# Altium PCB Batt_monitor.PcbDoc (part 2 of 2)
Units mm, origin at the board's own origin, x right, y up, seen from the top; angles counter-clockwise.
Board outline 100 x 48.5 mm, 2 copper layers (Top Layer, Bottom Layer), stack 1.58 mm thick; 113 components, 84 nets, 409 pads, 963 vias.
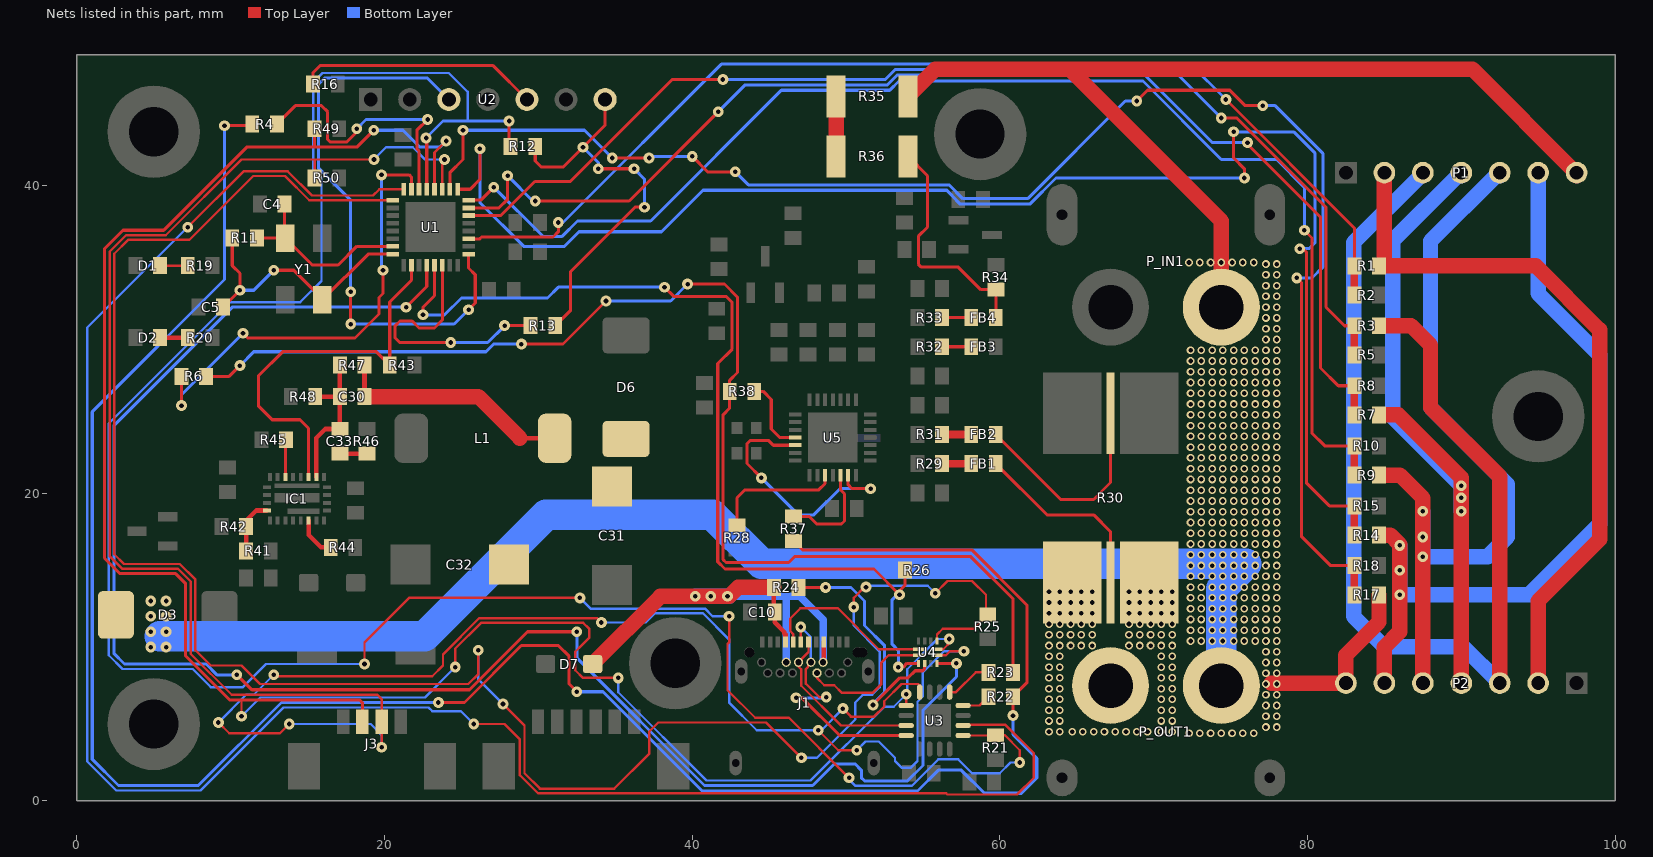
[diagram p2: the nets of this part, all layers, seen from the top]

## Via types
v1: diameter 0.5, hole 0.3, Top Layer to Bottom Layer, tented both sides, 559 vias
v2: diameter 0.7, hole 0.3, Top Layer to Bottom Layer, tented both sides, 397 vias
v3: diameter 0.31, hole 0.3, Top Layer to Bottom Layer, tented both sides, 4 vias
v4: diameter 0.4, hole 0.3, Top Layer to Bottom Layer, tented both sides, 3 vias

## Nets (pads, with @x,y where several pads share a name; then routed paths per layer and width w, separated by ;. In a path a pad name is that pad's centre, name@x,y a point inside that pad or via, vN(x,y) a via of type N, cw(c..) or ccw(c..) an arc to the next point about the centre after c; other vN are vias at no path point) (continued)
NetC30_1: C30.1 C33.1 IC1.14 R47.2 R48.1 | length 10.1
  Top Layer w0.3: R48.1@15.5,26.28 C30.1@17.1,26.28 ; IC1.14@15.57,21.052 15.57,23.594 16.156,24.18 C33.1@17.1,24.18 C30.1@17.1,26.28 ; R47.2@17.1,28.33 C30.1@17.1,26.28
NetC30_2: C30.2 C31.2 C32.2 D6.A L1.2 R47.1 | length 15.5
  Top Layer w0.3: C30.2@18.7,26.28 R47.1@18.7,28.33 ; 28.8,23.58 L1.2@31.06,23.58
  Top Layer w1: C30.2@18.7,26.28 26.1,26.28 28.8,23.58
NetC33_2: C33.2 R46.2 | length 1.8
  Top Layer w0.3: C33.2@17.1,22.58 R46.2@18.85,22.58
NetD1_1: D1.1 R19.1 | length 1.6
  Top Layer w0.152: D1.1@5.6,34.7 5.7,34.8 R19.1@7.205,34.8
NetD2_1: D2.1 R20.1 | length 1.8
  Top Layer w0.3: D2.1@5.4,30.12 7.18,30.12 R20.1@7.2,30.1
NetFB1_1: FB1.1 R30.4 | length 12.6
  Top Layer w0.2: FB1.1@59.739,21.924 63.063,18.6 66.1,18.6 67.2,17.5 R30.4@67.2,14.2
NetFB1_2: FB1.2 R29.1 | length 1.9
  Top Layer w0.5: R29.1@56.239,21.924 FB1.2@58.139,21.924
NetFB2_1: FB2.1 R30.3 | length 14.2
  Top Layer w0.2: FB2.1@59.739,23.824 63.963,19.6 66.1,19.6 67.2,20.7 R30.3@67.2,25.2
NetFB2_2: FB2.2 R31.1 | length 1.9
  Top Layer w0.5: R31.1@56.239,23.824 FB2.2@58.139,23.824
NetFB3_2: FB3.2 R32.1 | length 1.9
  Top Layer w0.2: R32.1@56.239,29.524 FB3.2@58.138,29.524
NetFB4_1: FB4.1 R34.1 R36.1 | length 15.2
  Top Layer w0.2: R36.1@54.04,41.9 55.3,40.64 55.3,37.3 54.7,36.7 54.7,34.9 54.9,34.7 57.3,34.7 58.763,33.237 R34.1@59.738,33.237 FB4.1@59.738,31.562
NetFB4_2: FB4.2 R33.1 | length 1.9
  Top Layer w0.2: R33.1@56.239,31.424 FB4.2@58.139,31.424
NetIC1_6: IC1.6 R44.2 | length 2.7
  Top Layer w0.3: IC1.6@15.062,18.23 15.062,17.288 15.87,16.48 R44.2@16.5,16.48
NetIC1_15: IC1.15 R43.2 U1.10 | length 25.6
  Top Layer w0.2: IC1.15@15.062,21.052 15.062,24.218 14.5,24.78 12.7,24.78 11.8,25.68 11.8,27.621 13.409,29.23 19.439,29.23 R43.2@20.34,28.329 20.34,32.44 21.755,33.855 U1.10@21.755,34.836
NetIC1_18: IC1.18 R45.2 | length 2.4
  Top Layer w0.2: IC1.18@13.55,21.052 13.55,23.43 R45.2@13.6,23.48
NetIC1_24: IC1.24 R41.1 R42.2 | length 3.6
  Top Layer w0.3: R41.1@11,16.255 11,18.23 11.651,18.88 IC1.24@12.35,18.88
NetJ1_A5: J1.A5 U4.1 | length 11.3
  Top Layer w0.152: J1.A5@46.564,10.325 46.564,10.855 46.374,11.045 46.374,11.864 47.035,12.525 49.475,12.525 52.135,9.865 U4.1@54.714,9.865
NetJ1_B5: J1.B5 U4.2 | length 9.2
  Top Layer w0.152: J1.B5@48.114,8.315 48.114,7.995 48.583,7.525 49.239,7.525 49.739,7.025 51.725,7.025 52.3,7.6 52.3,9 52.765,9.465 U4.2@54.714,9.465
NetJ3_2: J3.2 R49.2 U1.28 U3.9 U4.8 | length 140.2
  Top Layer w0.152: v2(10.7,5.5) 10.7,6.574 10.7,6.598 ; v2(24.6,8.7) 24.6,9.9 26.276,11.576 32.924,11.576 33.3,11.2 33.3,10.6 32.8,10.1 32.4,9.7 32.4,8.5 32.9,8 v2(35.2,8) ; U3.9@53.914,6.2 v2(53.914,6.936) ; U4.8@55.914,9.865 56.326,9.865 56.792,10.331 56.792,10.525 v2(56.714,10.525)
  Top Layer w0.2: 15.456,42.544 R49.2@15.456,43.7 ; J3.2@18.56,5.159 18.56,6.388 18.375,6.574 10.7,6.574 9.926,6.574 7.074,9.426 7.074,14.126 6.422,14.778 2.802,14.778 1.8,15.78 1.8,35.9 3,37.1 5.639,37.1 11.039,42.5 18.2,42.5 v2(19.3,43.6) ; U1.28@23.254,39.764 23.254,42.154 v2(24,42.9)
  Bottom Layer w0.152: v2(10.7,5.5) 11.926,6.726 22.626,6.726 v2(24.6,8.7) ; v2(35.2,8) 35.2,7.061 40.935,1.326 47.7,1.326 52.5,6.126 53.104,6.126 v2(53.914,6.936) 53.976,6.999 53.976,8.561 55.94,10.525 v2(56.714,10.525)
  Bottom Layer w0.2: v2(19.3,43.6) 21.2,43.6 22.3,42.5 23.6,42.5 v2(24,42.9)
NetJ3_3: J3.3 R50.2 U1.27 U3.8 U4.7 | length 163.9
  Top Layer w0.152: v2(9.2,5.1) 9.9,4.4 13.2,4.4 v2(13.8,5) ; v2(12.8,8.2) 12.9,8.1 23.1,8.1 23.8,8.8 23.8,9.528 26.151,11.879 33.821,11.879 v2(34.1,11.6) ; R50.2@15.456,40.5 15.456,41.656 ; v2(19.312,41.7) 10.7,41.7 5.774,36.774 3.2,36.774 2.126,35.7 2.126,15.915 2.938,15.104 6.558,15.104 7.4,14.261 7.4,9.561 10.061,6.9 19.539,6.9 19.81,6.629 J3.3@19.81,5.159 v2(19.81,3.49) ; U1.27@23.762,39.764 23.762,41.562 v2(23.9,41.7) ; v2(48.2,4.6) 49.5,3.3 v2(50.7,3.3) ; v2(49.8,6) 50.319,5.481 51.819,5.481 52.481,6.144 52.481,6.481 53.6,7.6 54.7,7.6 54.789,7.511 U3.8@54.789,7.075 ; U4.7@55.914,9.465 56.495,9.465 56.765,9.735 v2(57.665,9.735)
  Bottom Layer w0.152: v2(9.2,5.1) 11,6.9 11.5,6.9 v2(12.8,8.2) ; v2(13.8,5) 19.1,5 19.81,4.29 v2(19.81,3.49) ; v2@19.3,41.7 20.1,42.5 21.839,42.5 22.639,41.7 v2(23.9,41.7) ; v2(34.1,11.6) 36.986,11.6 37.586,12.2 40.7,12.2 42.4,10.5 42.4,6.4 44.2,4.6 v2(48.2,4.6) 48.4,4.6 v2(49.8,6) ; v2(50.7,3.3) 51.265,3.865 52.135,3.865 53.188,2.812 53.188,2.601 53.639,2.15 54.2,2.15 54.65,2.6 54.65,6.45 55,6.8 55,8.36 56.375,9.735 v2(57.665,9.735)
NetP1_2: P1.2 P2.2 R1.2 | length 46.2
  Top Layer w1: P1.2@85,40.64 85,34.78 94.844,34.78 99,30.624 99,17 95,13 P2.2@95,7.66
NetP1_3: P1.3 P2.3 R3.2 | length 69.8
  Top Layer w1: R3.2@84.65,30.893 86.731,30.893 88,29.624 88,25.58 92.5,21.08 P2.3@92.5,7.66
  Bottom Layer w1: 82.999,17.159 82.999,12.001 84.965,10.035 90.125,10.035 P2.3@92.5,7.66 P2.3@92.5,7.5 ; 83,17.16 83,36.3 87.34,40.64 P1.3@87.5,40.64
NetP1_4: P1.4 P2.4 R7.2 | length 46
  Top Layer w1: R7.2@84.65,25.093 85.913,25.093 90,21.006 v2(90,18.835) P2.4@90,7.66
  Bottom Layer w1: v2(90,18.835) 90,20.48 85.55,24.93 85.55,36.45 89.74,40.64 P1.4@90,40.64
  other v2: 90,19.706 90,20.494
NetP1_5: P1.5 P2.5 R9.2 | length 52
  Top Layer w1: R9.2@84.649,21.174 86.006,21.174 87.5,19.68 P2.5@87.5,7.66
  Bottom Layer w1: v2(87.5,18.835) 87.5,18 v2(87.5,15.88) 91.72,15.88 93,17.16 93,20.58 88,25.58 88,36.4 92.24,40.64 P1.5@92.5,40.64
  other v2: 87.5,17.16
NetP1_6: P1.6 P2.6 R14.2 | length 53.4
  Top Layer w1: R14.2@84.699,17.28 85.393,17.28 86,16.674 86,11 85,10 P2.6@85,7.66
  Bottom Layer w1: v2(86,16.61) v2(86,13.409) 94.409,13.409 99,18 99,29 95,33 P1.6@95,40.64
  other v2: 86,15
NetP_OUT1_2: P_OUT1.2 R30.2
  other v1: 63.2,4.5 63.9,4.5 64.7,4.5 65.4,4.5 66.1,4.5 66.8,4.5 67.5,4.5 68.2,4.5 68.9,4.5 69.6,4.5 70.5,4.5 71.2,4.5 63.2,5.2 63.9,5.2 70.5,5.2 71.2,5.2 63.2,5.9 63.9,5.9 70.5,5.9 71.2,5.9 63.2,6.6 63.9,6.6 70.5,6.6 71.2,6.6 63.2,7.3 63.9,7.3 70.5,7.3 71.2,7.3 63.2,8 63.9,8 70.5,8 71.2,8 63.2,8.7 63.9,8.7 70.5,8.7 71.2,8.7 63.2,9.4 63.9,9.4 70.5,9.4 71.2,9.4 63.2,10.1 63.9,10.1 64.6,10.1 65.3,10.1 66,10.1 68.4,10.1 69.1,10.1 69.8,10.1 70.5,10.1 71.2,10.1 63.2,10.8 63.9,10.8 64.6,10.8 65.3,10.8 66,10.8 68.4,10.8 69.1,10.8 69.8,10.8 70.5,10.8 71.2,10.8 63.2,11.5 63.9,11.5 64.6,11.5 65.3,11.5 66,11.5 68.4,11.5 69.1,11.5 69.8,11.5 70.5,11.5 71.2,11.5 63.2,12.2 63.9,12.2 64.6,12.2 65.3,12.2 66,12.2 68.4,12.2 69.1,12.2 69.8,12.2 70.5,12.2 71.2,12.2 63.2,12.9 63.9,12.9 64.6,12.9 65.3,12.9 66,12.9 68.4,12.9 69.1,12.9 69.8,12.9 70.5,12.9 71.2,12.9 63.2,13.6 63.9,13.6 64.6,13.6 65.3,13.6 66,13.6 68.4,13.6 69.1,13.6 69.8,13.6 70.5,13.6 71.2,13.6
NetR1_1: R1.1 R2.1 U1.19 | length 71.4
  Top Layer w0.2: U1.19@25.464,36.538 26.189,36.538 26.307,36.655 30.955,36.655 31.3,37 v2(31.3,37.6) ; v2(74.7,45.6) 83.05,37.25 R1.1@83.05,34.78
  Top Layer w0.5: R2.1@83.05,32.881 R1.1@83.05,34.78
  Bottom Layer w0.2: v2(31.3,37.6) 31.6,37.6 41.9,47.9 72.4,47.9 v2(74.7,45.6)
NetR3_1: R3.1 R5.1 U1.22 | length 74.1
  Top Layer w0.2: U1.22@25.464,38.062 27.562,38.062 29.772,40.271 32.072,40.271 38.7,46.9 v2(42,46.9) ; v2(74.4,44.4) 75.405,44.4 81.2,38.605 81.2,32.1 82.407,30.893 R3.1@83.05,30.893
  Top Layer w0.5: R5.1@83.05,28.993 R3.1@83.05,30.843
  Bottom Layer w0.2: v2(42,46.9) 52.55,46.9 53.2,47.55 71.25,47.55 v2(74.4,44.4)
NetR4_1: R4.1 R22.1 R37.1 | length 147.9
  Top Layer w0.2: v2(9.6,43.9) R4.1@11.2,43.9 ; v2(23.5,6.4) 25.195,6.4 28.895,10.1 31.3,10.1 32,9.4 32,7.6 v2(32.5,7.1) ; R37.1@46.6,16.9 47.176,16.324 58.171,16.324 61.755,12.74 61.755,7.673 R22.1@60.855,6.773 v2(60.855,5.545)
  Bottom Layer w0.2: v2(9.6,43.9) 9.6,33.895 1,25.295 1,2.7 2.7,1 7.9,1 13.3,6.4 v2(23.5,6.4) ; v2(32.5,7.1) 34.205,7.1 40.655,0.65 54.65,0.65 56,2 57.5,2 59,0.5 61.4,0.5 62.4,1.5 62.4,2.765 60.855,4.31 v2(60.855,5.545)
NetR4_2: R4.2 U1.30 | length 17.9
  Top Layer w0.2: R4.2@13,44 14.2,45.2 15.9,45.2 16.3,44.8 16.3,43 16.45,42.85 17.559,42.85 18.2,43.491 v2(18.2,43.7) ; U1.30@22.238,39.764 22.238,42.262 22.1,42.4 22.1,43.6 v2(22.8,44.3)
  Bottom Layer w0.2: v2(18.2,43.7) 18.8,44.3 v2(22.8,44.3)
NetR6_1: R6.1 R23.1 R38.1 | length 79.7
  Top Layer w0.2: R6.1@8.4,27.6 9.9,27.6 v2@10.5,28.2 ; v2(28.9,29.7) 31.6,29.7 v2(34.4,32.5) ; v2(39.7,33.6) 42.1,33.6 42.95,32.75 42.95,27.85 42.439,27.339 R38.1@42.439,26.625 42.439,25.539 42.014,25.114 42.014,15.686 42.2,15.5 46.275,15.5 46.655,15.88 58.12,15.88 60.855,13.145 R23.1@60.855,8.357
  Bottom Layer w0.2: v2(10.6,28.3) 11.5,29.2 26.602,29.2 27.102,29.7 v2(28.9,29.7) ; v2(34.4,32.5) 38.6,32.5 v2(39.7,33.6)
NetR6_2: R6.2 U1.31 | length 29.9
  Top Layer w0.2: v2(6.8,25.7) R6.2@6.8,27.6 ; v2(10.8,30.4) 11.1,30.1 18.085,30.1 19.64,31.655 19.64,32.73 19.9,32.99 v2(19.9,34.5) ; v2(19.8,40.7) 21.6,40.7 21.755,40.545 U1.31@21.755,39.764
  Bottom Layer w0.2: v2(6.8,25.7) 6.8,26.4 v2(10.8,30.4) ; v2(19.8,40.7) 19.8,34.6 v2(19.9,34.5)
NetR7_1: R7.1 R8.1 U1.23 | length 79.4
  Top Layer w0.2: U1.23@25.464,38.545 27.433,38.545 28,39.112 v2(28,40.64) ; v2(29.8,39) 35.9,39 v2(41.7,44.8) ; v2(76.1,42.8) 76.1,42.7 80.85,37.95 80.85,28.15 82.007,26.993 R8.1@83.049,26.993
  Top Layer w0.5: R7.1@83.049,25.142 R8.1@83.049,26.993
  Bottom Layer w0.2: v2(28,40.64) 29.64,39 v2(29.8,39) ; v2(41.7,44.8) 43.45,46.55 52.695,46.55 53.345,47.2 69.4,47.2 73.8,42.8 v2(76.1,42.8)
NetR9_1: R9.1 R10.1 U1.24 | length 84.3
  Top Layer w0.2: U1.24@25.464,39.053 26.253,39.053 v2(27.1,39.9) ; v2(79.8,37.1) 80.3,36.6 80.3,23.9 81.12,23.08 R10.1@83.05,23.08
  Top Layer w0.5: R9.1@83.05,21.18 R10.1@83.05,23.08
  Bottom Layer w0.2: v2(27.1,39.9) 30.3,36.7 31.545,36.7 32.545,37.7 37.3,37.7 45.8,46.2 52.84,46.2 53.44,46.8 69.305,46.8 74.405,41.7 78,41.7 79.8,39.9 v2(79.8,37.1)
NetR12_1: R12.1 R21.1 U1.29 U3.1 | length 147.1
  Top Layer w0.152: v2(18.7,8.9) 18.7,10.3 21.6,13.2 v2(32.7,13.2) ; v2(42.4,12) 42.4,10.3 42.3,10.2 42.3,7.2 44.098,5.402 46.298,5.402 v2(50.2,1.5) ; U3.1@57.614,4.25 59.715,4.25 R21.1@59.73,4.265 60.335,4.265 61.3,3.3 v2(61.3,2.5)
  Top Layer w0.2: v2(22.7,43.1) 22.746,43.054 U1.29@22.746,39.764 ; R12.1@28.1,42.5 v2(28.1,44.2)
  Bottom Layer w0.152: v2(18.7,8.9) 12.3,8.9 10.8,7.4 8.7,7.4 7.526,8.574 2.965,8.574 2.074,9.465 2.074,24.535 9.965,32.426 14.526,32.426 15.9,33.8 15.9,40.494 15.374,41.02 15.374,46.735 15.965,47.326 24.174,47.326 25.4,46.1 25.4,44.2 ; v2(32.7,13.2) 33.398,12.502 40.825,12.502 41.328,12 v2(42.4,12) ; v2(50.2,1.5) 50.2,1.4 50.624,0.976 54.276,0.976 56,2.7 57.3,2.7 58.2,1.8 60,1.8 60.7,2.5 v2(61.3,2.5)
  Bottom Layer w0.2: v2(22.7,43.1) 23.8,44.2 25.4,44.2 v2(28.1,44.2)
NetR13_1: R13.1 U1.14 | length 17.4
  Top Layer w0.2: U1.14@23.762,34.836 23.762,31.262 23.25,30.75 22.243,30.75 21.793,31.2 21,31.2 20.69,30.89 20.69,30.1 20.99,29.8 v2(24.3,29.8) ; v2(27.807,30.9) R13.1@29.5,30.9
  Bottom Layer w0.2: v2(24.3,29.8) 26.707,29.8 v2(27.807,30.9)
NetR14_1: R14.1 R15.1 U1.25 | length 98.1
  Top Layer w0.2: U1.25@24.753,39.764 25.564,39.764 26.2,40.4 v2(26.2,42.4) ; v2(75.2,43.5) 75.2,41.8 75.9,41.1 v2(75.9,40.5) ; v2(79.5,35.9) 79.6,36 79.95,35.65 79.95,20.65 81.42,19.18 R15.1@83.049,19.18
  Top Layer w0.5: R14.1@83.049,17.28 R15.1@83.049,19.18
  Bottom Layer w0.2: v2(26.2,42.4) 26.2,38.9 29.045,36.055 31.7,36.055 32.645,37 38,37 40.7,39.7 56.548,39.7 56.9,39.348 56.9,39.321 57.421,38.8 61.952,38.8 63.652,40.5 v2(75.9,40.5) ; v2(75.2,43.5) 79.1,43.5 80.5,42.1 80.5,36.3 80.1,35.9 v2(79.5,35.9)
NetR16_2: R16.2 U2.5 | length 15.8
  Top Layer w0.2: R16.2@15.356,46.6 15.356,47.356 15.8,47.8 27.06,47.8 U2.5@29.26,45.6
NetR17_1: R17.1 R18.1 U1.26 | length 99
  Top Layer w0.2: U1.26@24.245,39.764 24.245,40.845 25.1,41.7 v2(25.1,43.6) ; v2(34.8,41.8) v2(37.2,41.8) ; v2(40,41.9) 41,40.9 v2(42.8,40.9) ; v2(68.9,45.5) 69.6,46.2 74.949,46.2 75.949,45.2 v2(77.1,45.2) ; v2(79.3,34) 79.6,33.7 79.6,17.2 81.507,15.293 R18.1@83.05,15.293
  Top Layer w0.5: R17.1@83.05,13.46 R18.1@83.05,15.293
  Bottom Layer w0.2: v2(25.1,43.6) 33,43.6 v2(34.8,41.8) ; v2(37.2,41.8) 37.3,41.9 v2(40,41.9) ; v2(42.8,40.9) 43.65,40.05 56.693,40.05 57.593,39.15 61.807,39.15 68.157,45.5 v2(68.9,45.5) ; v2(77.1,45.2) 77.9,45.2 81,42.1 81,34.7 80.3,34 v2(79.3,34)
NetR22_2: R22.2 U3.4 | length 1.9
  Top Layer w0.152: U3.4@57.614,6.2 58.682,6.2 R22.2@59.255,6.773
NetR23_2: R23.2 U3.5 | length 3
  Top Layer w0.152: U3.5@56.739,7.075 57.154,7.075 58.436,8.357 R23.2@59.255,8.357
NetR24_1: R24.1 U4.4 | length 17
  Top Layer w0.2: R24.1@46.914,13.88 v2(48.674,13.88) ; v2(51.755,6.233) 51.755,6.255 53.5,8 54.033,8 54.498,8.465 54.982,8.465 55.114,8.596 U4.4@55.114,8.94
  Bottom Layer w0.2: v2(48.674,13.88) 50.32,13.88 51.2,13 51.2,11.4 52.514,10.086 52.514,7.075 51.755,6.316 v2(51.755,6.233)
NetR25_1: R25.1 U1.1 U4.9 | length 132.8
  Top Layer w0.152: U1.1@20.536,39.053 15.109,39.053 13.535,40.626 11.465,40.626 7.31,36.471 3.325,36.471 2.429,35.575 2.429,16.04 3.063,15.406 6.683,15.406 7.702,14.387 7.702,9.8 8.702,8.8 10.7,8.8 11.9,7.6 25.439,7.6 26.1,8.261 v2(26.1,9.8) ; v2(27.7,6.3) 29.1,4.9 29.1,1.8 30.1,0.8 34.94,0.8 37.2,3.06 37.2,4.5 37.8,5.1 44.8,5.1 v2(47.1,2.8) ; v2(50.5,12.6) 50.5,13.2 51.2,13.9 v2(51.3,13.9) ; v2(55.8,13.5) 56.6,14.3 58.2,14.3 59.1,13.4 R25.1@59.1,12.1 ; U4.9@55.914,10.39 55.914,10.816 56.293,11.196 58.299,11.196 R25.1@59.214,12.111
  Bottom Layer w0.152: v2(26.1,9.8) 26.1,7.9 v2(27.7,6.3) ; v2(47.1,2.8) 48.1,2.8 50.6,5.3 50.6,6.4 51.1,6.9 51.7,6.9 52.188,7.388 52.188,9.712 50.5,11.4 v2(50.5,12.6) ; v2(51.3,13.9) 51.385,13.985 55.315,13.985 v2(55.8,13.5)
NetR26_2: R26.2 U1.13 U4.3 | length 63.1
  Top Layer w0.2: v2(22.5,31.6) 22.5,32.092 23.254,32.846 U1.13@23.254,34.836 ; v2(38.2,33.4) 38.8,32.8 42.2,32.8 42.6,32.4 42.6,29.372 41.664,28.436 41.664,15.541 42.131,15.074 51.815,15.074 v2(53.48,13.409) 53.48,13.665 53.838,14.023 R26.2@53.838,15 ; v2(53.4,8.7) 53.715,8.7 53.955,8.94 U4.3@54.714,8.94
  Bottom Layer w0.2: v2(22.5,31.6) 23.9,31.6 25,32.7 30.6,32.7 31.3,33.4 v2(38.2,33.4) ; v2(53.4,8.7) 53.4,9.781 53,10.181 53,13.089 53.32,13.409 v2(53.48,13.409)
NetR28_1: R28.1 U5.10 | length 8.4
  Top Layer w0.2: R28.1@42.914,17.924 42.914,19.7 43.439,20.224 48.239,20.224 48.639,20.624 U5.10@48.639,21.174
NetR35_2: R35.2 R36.2 | length 3.9
  Top Layer w1: R36.2@49.36,41.9 R35.2@49.36,45.8
NetR37_2: R37.2 U5.12 | length 6.7
  Top Layer w0.2: R37.2@46.6,18.5 47.6,18.5 48.1,18 49.7,18 49.9,18.2 49.9,19.964 49.639,20.225 U5.12@49.639,21.174
NetR38_2: R38.2 U5.4 | length 5
  Top Layer w0.2: R38.2@44.039,26.625 44.614,26.625 45.139,26.099 45.139,24.174 45.689,23.624 U5.4@46.689,23.624
NetU1_12: U1.12 U4.6 | length 111.1
  Top Layer w0.2: v2(10.4,8.2) 11.374,7.226 25.526,7.226 29.3,11 v2(32.5,11) ; v2(21.4,32.1) 22.746,33.446 U1.12@22.746,34.836 ; U4.6@55.914,8.94 v2(57.18,8.94)
  Bottom Layer w0.2: v2(10.4,8.2) 9.1,8.2 8.4,8.9 3.1,8.9 2.4,9.6 2.4,24.4 10.1,32.1 v2(21.4,32.1) ; v2(32.5,11) 32.5,9.3 40.8,1 47.835,1 49.235,2.4 50.6,2.4 51,2 51,1.502 51.2,1.302 54.002,1.302 55,2.3 55,5.9 57.18,8.08 v2(57.18,8.94)
NetU1_32: U1.32 U3.2 | length 129.6
  Top Layer w0.152: v2(7.2,37.3) 10.829,40.929 13.707,40.929 15.281,39.355 19.255,39.355 19.664,39.764 U1.32@21.247,39.764 ; v2(25.8,5) 27.8,5 28.798,4.002 28.798,1.675 29.975,0.498 56.516,0.498 56.598,0.415 61.115,0.415 62.2,1.5 62.2,3.115 60.374,4.941 57.541,4.941 U3.2@57.5,4.9
  Bottom Layer w0.152: v2(7.2,37.3) 0.674,30.774 0.674,2.565 2.565,0.674 8.035,0.674 13.435,6.074 22.861,6.074 23.111,5.824 24.976,5.824 v2(25.8,5)
NetU5_5: U5.5 U5.13 | length 16.9
  Top Layer w0.2: v2(44.5,21) 43.564,21.936 43.564,23.225 43.763,23.424 44.976,23.424 45.276,23.124 U5.5@46.689,23.124 ; U5.13@50.139,21.174 50.139,20.553 50.392,20.3 v2(51.6,20.3)
  Bottom Layer w0.2: v2(44.5,21) 46.9,18.6 47.914,18.6 49.614,20.3 v2(51.6,20.3)
SCK: U1.17 U2.3 | length 37.7
  Top Layer w0.2: v2(17.8,31) v2(17.8,33.1) ; v2(25.464,31.936) 25.9,32.372 25.9,34.208 25.464,34.645 U1.17@25.464,35.547
  Bottom Layer w0.2: v2(17.8,31) 24.528,31 v2(25.464,31.936) ; v2(17.8,33.1) 17.8,39.056 15.7,41.156 15.7,46.6 16.1,47 22.78,47 U2.3@24.18,45.6
SS: R12.2 R13.2 U2.7 | length 25.8
  Top Layer w0.2: R12.2@29.8,42.545 29.8,41.6 30.2,41.2 31.6,41.2 v2(32.9,42.5) 34.34,43.94 U2.7@34.34,45.6 ; R13.2@31.1,30.9 32.1,31.9 32.1,34.418 36.282,38.6 v2(36.9,38.6) ; v2(33.9,41.1) v2(36.225,41.1)
  Bottom Layer w0.2: v2(32.9,42.5) 33.9,41.5 v2(33.9,41.1) ; v2(36.225,41.1) 36.9,40.425 v2(36.9,38.6)
USB_N: J1.A7 J1.B7 U3.11 | length 11.1
  Top Layer w0.152: J1.A7@47.564,10.325 47.564,9.68 47.138,9.254 47.138,9.19 46.914,8.966 46.914,8.73 47.09,8.554 47.09,7.49 49.68,4.9 U3.11@53.914,4.9
USB_P: J1.A6 J1.B6 U3.12 | length 16.9
  Top Layer w0.152: J1.A6@47.064,10.325 v2(47.064,11.311) ; J1.B6@47.714,9.015 47.714,9 47.53,8.816 47.53,8.715 47.392,8.578 47.392,7.615 48.259,6.749 v2(48.719,6.749)
  Top Layer w0.2: v2(46.755,6.704) 47.13,6.704 49.584,4.25 U3.12@53.914,4.25
  Bottom Layer w0.152: v2(47.064,11.311) 47.714,10.661 J1.B6@47.714,9.015
  Bottom Layer w0.2: v2(46.755,6.704) 48.674,6.704 v2(48.719,6.749)
VBAT: D3.A P1.7 P2.7 P_IN1.2 P_OUT1.1@74.4,7.5 R17.2 R35.1 | length 162.1
  Top Layer w1: R35.1@54.04,45.8 55.813,47.573 64.527,47.573 ; P_IN1.2@74.4,32 74.4,37.7 64.527,47.573 ; 77.64,7.66 P2.7@82.5,7.66 82.5,9.48 84.65,11.629 R17.2@84.649,13.393 ; P1.7@97.5,40.64 97.5,40.8 90.727,47.573 64.527,47.573
  Bottom Layer w2: 5.4,10.7 22.6,10.7 30.5,18.6 41.325,18.6 44.501,15.424 76.024,15.424 74.4,13.8 P_OUT1.1@74.4,7.5
  other v1: 72.3,4.4 73,4.4 73.7,4.4 74.4,4.4 75.1,4.4 75.8,4.4 76.5,4.4 77.3,4.8 78,4.8 77.3,5.5 78,5.5 77.3,6.2 78,6.2 77.3,6.9 78,6.9 77.3,7.6 78,7.6 77.3,8.3 78,8.3 77.3,9 78,9 77.3,9.7 78,9.7 72.4,10.4 73.1,10.4 73.8,10.4 74.5,10.4 75.2,10.4 75.9,10.4 76.6,10.4 77.3,10.4 78,10.4 72.4,11.1 73.1,11.1 73.8,11.1 74.5,11.1 75.2,11.1 75.9,11.1 76.6,11.1 77.3,11.1 78,11.1 72.4,11.8 73.1,11.8 73.8,11.8 74.5,11.8 75.2,11.8 75.9,11.8 76.6,11.8 77.3,11.8 78,11.8 72.4,12.5 73.1,12.5 73.8,12.5 74.5,12.5 75.2,12.5 75.9,12.5 76.6,12.5 77.3,12.5 78,12.5 72.4,13.2 73.1,13.2 73.8,13.2 74.5,13.2 75.2,13.2 75.9,13.2 76.6,13.2 77.3,13.2 78,13.2 72.4,13.9 73.1,13.9 73.8,13.9 74.5,13.9 75.2,13.9 75.9,13.9 76.6,13.9 77.3,13.9 78,13.9 72.4,14.6 73.1,14.6 73.8,14.6 74.5,14.6 75.2,14.6 75.9,14.6 76.6,14.6 77.3,14.6 78,14.6 72.4,15.3 73.1,15.3 73.8,15.3 74.5,15.3 75.2,15.3 75.9,15.3 76.6,15.3 77.3,15.3 78,15.3 72.4,16 73.1,16 73.8,16 74.5,16 75.2,16 75.9,16 76.6,16 77.3,16 78,16 72.4,16.7 73.1,16.7 73.8,16.7 74.5,16.7 75.2,16.7 75.9,16.7 76.6,16.7 77.3,16.7 78,16.7 72.4,17.4 73.1,17.4 73.8,17.4 74.5,17.4 75.2,17.4 75.9,17.4 76.6,17.4 77.3,17.4 78,17.4 72.4,18.1 73.1,18.1 73.8,18.1 74.5,18.1 75.2,18.1 75.9,18.1 76.6,18.1 77.3,18.1 78,18.1 72.4,18.8 73.1,18.8 73.8,18.8 74.5,18.8 75.2,18.8 75.9,18.8 76.6,18.8 77.3,18.8 78,18.8 72.4,19.5 73.1,19.5 73.8,19.5 74.5,19.5 75.2,19.5 75.9,19.5 76.6,19.5 77.3,19.5 78,19.5 72.4,20.2 73.1,20.2 73.8,20.2 74.5,20.2 75.2,20.2 75.9,20.2 76.6,20.2 77.3,20.2 78,20.2 72.4,20.9 73.1,20.9 73.8,20.9 74.5,20.9 75.2,20.9 75.9,20.9 76.6,20.9 77.3,20.9 78,20.9 72.4,21.6 73.1,21.6 73.8,21.6 74.5,21.6 75.2,21.6 75.9,21.6 76.6,21.6 77.3,21.6 78,21.6 72.4,22.3 73.1,22.3 73.8,22.3 74.5,22.3 75.2,22.3 75.9,22.3 76.6,22.3 77.3,22.3 78,22.3 72.4,23 73.1,23 73.8,23 74.5,23 75.2,23 75.9,23 76.6,23 77.3,23 78,23 72.4,23.7 73.1,23.7 73.8,23.7 74.5,23.7 75.2,23.7 75.9,23.7 76.6,23.7 77.3,23.7 78,23.7 72.4,24.4 73.1,24.4 73.8,24.4 74.5,24.4 75.2,24.4 75.9,24.4 76.6,24.4 77.3,24.4 78,24.4 72.4,25.1 73.1,25.1 73.8,25.1 74.5,25.1 75.2,25.1 75.9,25.1 76.6,25.1 77.3,25.1 78,25.1 72.4,25.8 73.1,25.8 73.8,25.8 74.5,25.8 75.2,25.8 75.9,25.8 76.6,25.8 77.3,25.8 78,25.8 72.4,26.5 73.1,26.5 73.8,26.5 74.5,26.5 75.2,26.5 75.9,26.5 76.6,26.5 77.3,26.5 78,26.5 72.4,27.2 73.1,27.2 73.8,27.2 74.5,27.2 75.2,27.2 75.9,27.2 76.6,27.2 77.3,27.2 78,27.2 72.4,27.9 73.1,27.9 73.8,27.9 74.5,27.9 75.2,27.9 75.9,27.9 76.6,27.9 77.3,27.9 78,27.9 72.4,28.6 73.1,28.6 73.8,28.6 74.5,28.6 75.2,28.6 75.9,28.6 76.6,28.6 77.3,28.6 78,28.6 72.4,29.3 73.1,29.3 73.8,29.3 74.5,29.3 75.2,29.3 75.9,29.3 76.6,29.3 77.3,29.3 78,29.3 77.3,30 78,30 77.3,30.7 78,30.7 77.3,31.4 78,31.4 77.3,32.1 78,32.1 77.3,32.8 78,32.8 77.3,33.5 78,33.5 77.3,34.2 78,34.2 77.3,34.9 78,34.9 72.3,35 73,35 73.7,35 74.4,35 75.1,35 75.8,35 76.5,35
  other v2: 4.8,10 5.8,10 4.8,11 5.8,11 4.8,12 5.8,12 4.8,13 5.8,13
VBUS: C10.2 D7.A J1.A4 J1.A9 J1.B4 J1.B9 R24.2 | length 34.9
  Top Layer w0.3: C10.2@45.314,12.325 R24.2@45.314,13.88 ; C10.2@45.364,12.275 45.364,11.618 45.998,10.984 45.998,10.889 46.064,10.823 J1.A4@46.064,10.325 ; J1.B4@48.514,9.015 48.564,9.065 J1.A9@48.564,10.325
  Top Layer w1: D7.A@33.53,8.9 37.93,13.3 v2(40.2,13.3) v2(41.2,13.3) v2(42.3,13.3) 42.4,13.3 42.98,13.88 R24.2@45.314,13.88
  Bottom Layer w0.5: v2@42.4,13.3 47,13.3 48.514,11.786 J1.B4@48.514,9.015 ; J1.B9@46.114,9.015 46.114,13.186
  Bottom Layer w1: v2(40.2,13.3) v2(41.2,13.3) v2(42.3,13.3) v2@42.4,13.3
XTAL1: C4.2 R11.2 U1.7 Y1.1 | length 12.2
  Top Layer w0.2: R11.2@11.7,36.6 Y1.1@13.6,36.6 ; Y1.1@13.5,36.7 C4.2@13.5,38.8 ; Y1.1@13.56,36.574 15.297,34.837 16.981,34.837 18.199,36.055 U1.7@20.536,36.055
XTAL2: C5.2 R11.1 U1.8 Y1.3 | length 17.6
  Top Layer w0.2: C5.2@9.5,32.2 9.6,32.2 v2(10.6,33.2) 10.6,34.3 10.1,34.8 R11.1@10.1,36.5 ; v2(12.8,34.5) 14.1,34.5 15.96,32.64 Y1.3@15.96,32.574 18.933,35.547 U1.8@20.536,35.547
  Bottom Layer w0.2: v2(10.6,33.2) 11.5,33.2 v2(12.8,34.5)
pads on no net: D5.3 IC1.1 IC1.3 J1. J1.A2 J1.A3 J1.A8 J1.A10 J1.A11 J1.B2 J1.B3 J1.B8 J1.B10 J1.B11 NT1.0 U1.11 U3.3 U3.6 U3.7 U3.14 U3.15 U5.1 U5.2 U5.3 U5.7 U5.8 U5.9 U5.14 U5.15 U5.22

## Polygon pours and split planes (outlines as drawn)
DGND on Top Layer "Keep-Out Layer-No Net" (solid, remove dead copper, pour order 20): 0,48.5 0,0 100,0 100,48.5
AGND on Top Layer "Keep-Out Layer-No Net" (solid, pour order 19): 47.7,38 58.7,38 58.7,18 48.8,18 48.7,18.1 50.2,19.6 50.2,22.2 50.2,27 47.7,29.5 47.7,37.9
DGND on Bottom Layer "Keep-Out Layer-No Net" (solid, remove dead copper, pour order 18): 0,48.5 0,0 100,0 100,48.5
AGND on Bottom Layer "Keep-Out Layer-No Net" (solid, pour order 17): 58.7,18 58.7,38 47.7,38 47.7,29.5 50.2,27 51.21,25.6 51.21,23.841 51.21,21.471 50.2,19.6 48.6,18

## Keep-outs
Keep-Out Layer:
  the board outline again, w0.254

## Other copper
Top Layer:
  rectangle net DGND: 15.938,21.305 16.503,21.924
  rectangle net NetC28_1: 16.731,19.722 22.8,19.884
  rectangle net NetC28_1: 16.4,20.5 16.8,20.699
  rectangle net NetC28_1: 16.731,19.884 17.7,20.824
  rectangle net NetC27_2: 12.5,20.8 13.1,21.3
  rectangle net NetC26_2: 9.3,10.7 13,13.5
  rectangle net NetC26_2: 12.1,10.78 13.4,17.28
  rectangle net NetC26_2: 12.1,15.405 14.195,17.28
  rectangle net NetC26_2: 11.9,8.88 16.9,11.48
  rectangle net NetC28_1: 19.1,23.78 21.3,24.58
  rectangle net NetC28_1: 18.45,19.884 22.8,20.73
  rectangle net NetC28_1: 19.8,19.884 22.798,23.88
  rectangle net NetC30_2: 29,17.98 37.4,25.48
  rectangle net NetC30_2: 26.9,14.08 29.4,25.48
  rectangle net NetC28_1: 16.4,20.699 19.8,21.08
  rectangle net NetC28_1: 16.731,19.884 17.1,20.28
  rectangle net DGND: 62.8,27.688 66.6,35.487
  rectangle net DGND: 67.8,27.8 71.6,35.5
  rectangle net DGND: 64.7,28.088 71.6,35.487
  rectangle net VBAT: 71.9,4 78.5,35.487
  rectangle net NetP_OUT1_2: 62.8,4 66.6,12
  rectangle net NetP_OUT1_2: 67.8,4.025 71.6,11.63
  rectangle net NetP_OUT1_2: 66.4,4.025 67.9,11.275
  rectangle net VBAT: 1.3,9.4 6.4,13.7
  rectangle net 5V_USB: 39,14.5 41.1,16.5
  rectangle net 5V_USB: 39,20.6 41.1,22.6
  rectangle net 5V_USB: 16.9,2.1 17.775,5.9
  rectangle net 5V_USB: 16.9,2.1 19.2,4.1
  rectangle net 5V_USB: 29.6,2 31.6,5.3
  rectangle net 5V_USB: 35.9,29.1 39.8,31.677
  pour cut-out: 46.991,26 51.411,26 51.411,21.533 51.444,21.5 47.023,21.5
  pour cut-out: 54.354,6.629 57.186,6.629 57.186,3.8 54.416,3.8 54.354,3.863
  region net NetC26_2: 13.85,17.88 13.9,17.93 14.02,17.93 14.05,17.9 13.95,17.8 13.875,17.8
  region net NetC26_2: 13.9,17.88 13.85,17.88 13.2,17.23 13.4,17.03 13.9,17.03 13.9,17.38 14.05,17.53 14.05,17.98
  region net NetC26_2: 14.195,15.405 14.195,15.275 13.2,14.28 13.2,15.88 13.8,15.88 14,16.08
Bottom Layer:
  rectangle net NetP_OUT1_2: 62.8,4 71.6,14
  rectangle net NetC26_2: 13.55,18.48 15.87,19.18
  rectangle net NetC28_1: 12.918,20.18 18.8,20.78
  rectangle net NetC28_1: 16.8,19.706 18.8,20.494
  rectangle net NetC28_1: 16.8,20.08 18.8,21.08
  rectangle net NetC26_2: 13.55,17.58 15.87,18.58
  rectangle net NetC26_2: 12.1,15.275 14.2,19.18
  rectangle net NetC28_1: 13.2,20.58 17,21.08
  rectangle net VBAT: 4.1,9.4 6.4,13.7
  rectangle net VBAT: 71.9,4 78.5,35.5
  rectangle net 5V_USB: 16.7,0.7 19.2,4.1
  rectangle net 5V_USB: 29.3,0.7 31.8,4
  rectangle net 5V_USB: 39,14.5 41.1,16.5
  rectangle net 5V_USB: 39,20.6 41.1,22.6
  rectangle net 5V_USB: 37.75,29.32 39.85,31.32
  region net NetC28_1: 12.918,20.78 12.918,20.798 13.2,21.08 13.58,20.7 13.1,20.7

## Silkscreen, mask and mechanical layers (free items; w line width, h text height)
Top Overlay:
  text "IN" at 80.6,33.2 h1
  text "OUT" at 79.9,11.4 h1
Top Solder:
  rectangle: 63.6,27.8 70.8,34.8
  rectangle: 63.6,5 70.9,12.5
  rectangle: 72.9,4 78.5,35.487

## Text inside footprints (layer, text, board x,y; h text height)
U6: Mechanical 11 "1" at 42.939,24.524 h1 r180